# Altium PCB 红外发射（整套）.PcbDoc
Units mil, origin at the board's own origin, x right, y up, seen from the top; angles counter-clockwise.
Board outline 6000 x 4000 mil, 2 copper layers (Top Layer, Bottom Layer); 38 components, 23 nets, 118 pads, 0 vias.
Unrouted connection lines stored in the file: 1.
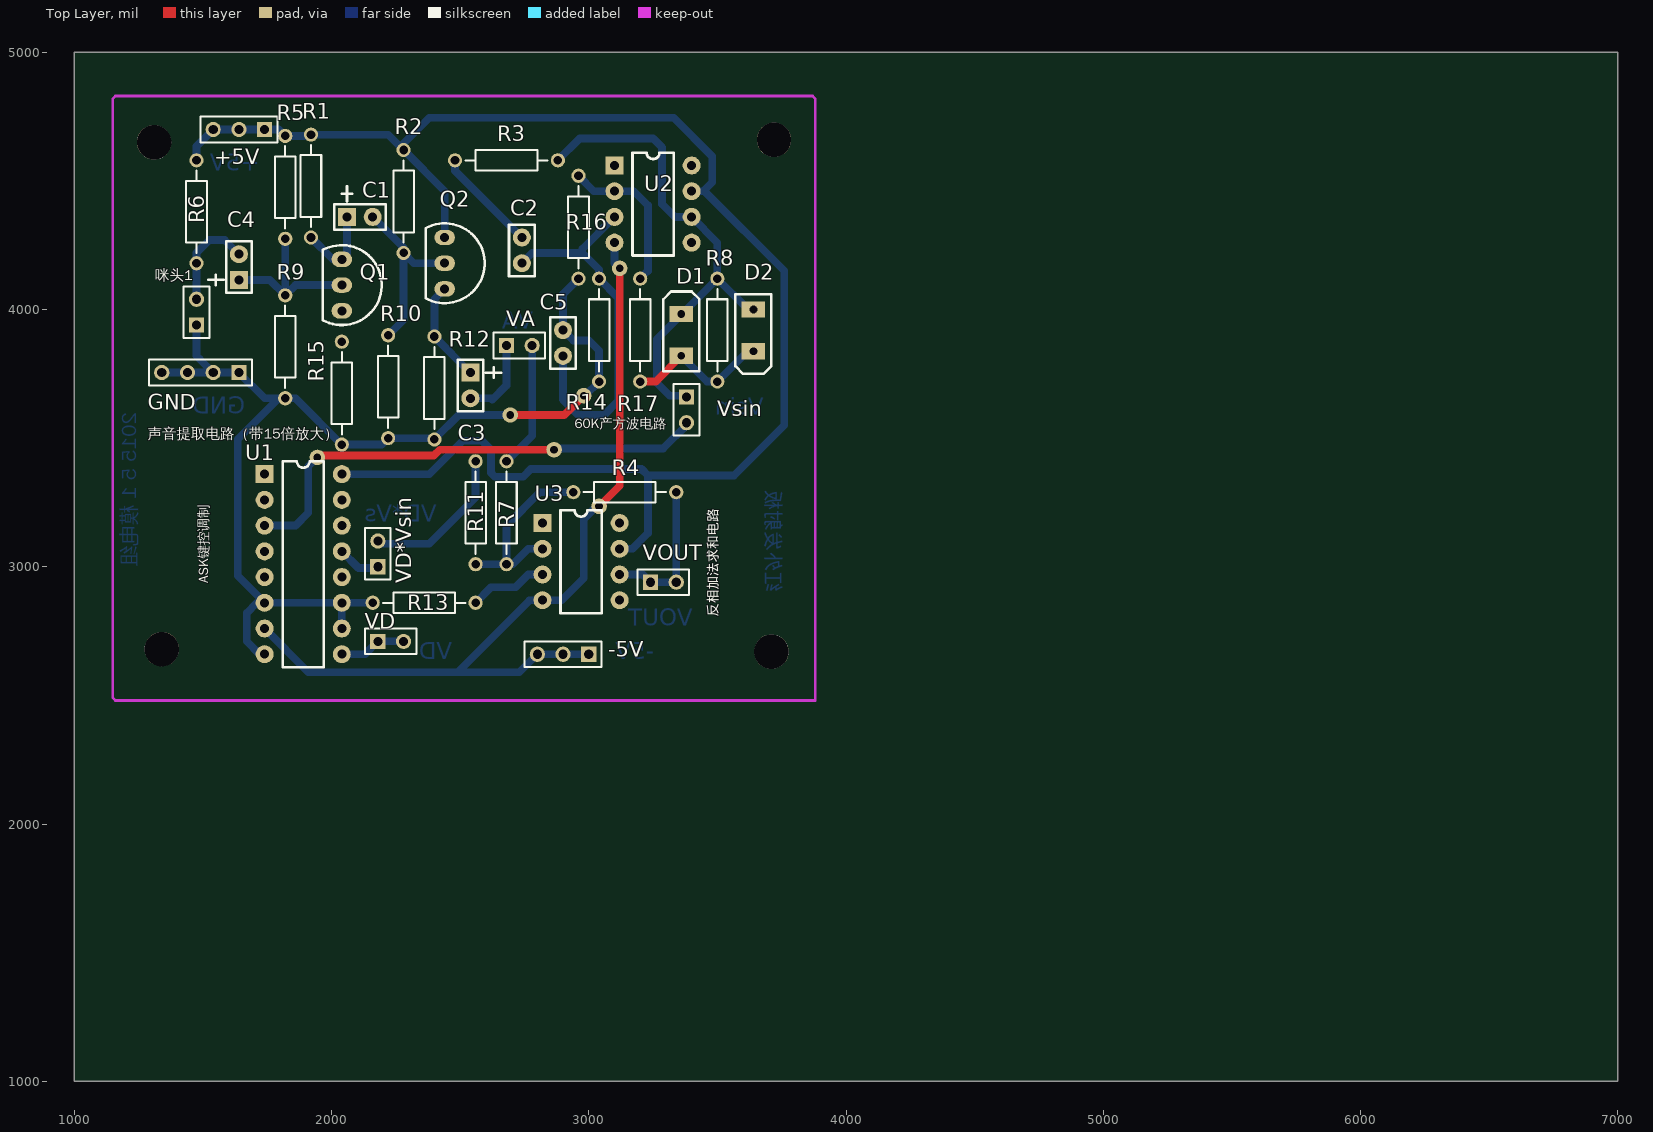
[diagram p0: Top Layer view]
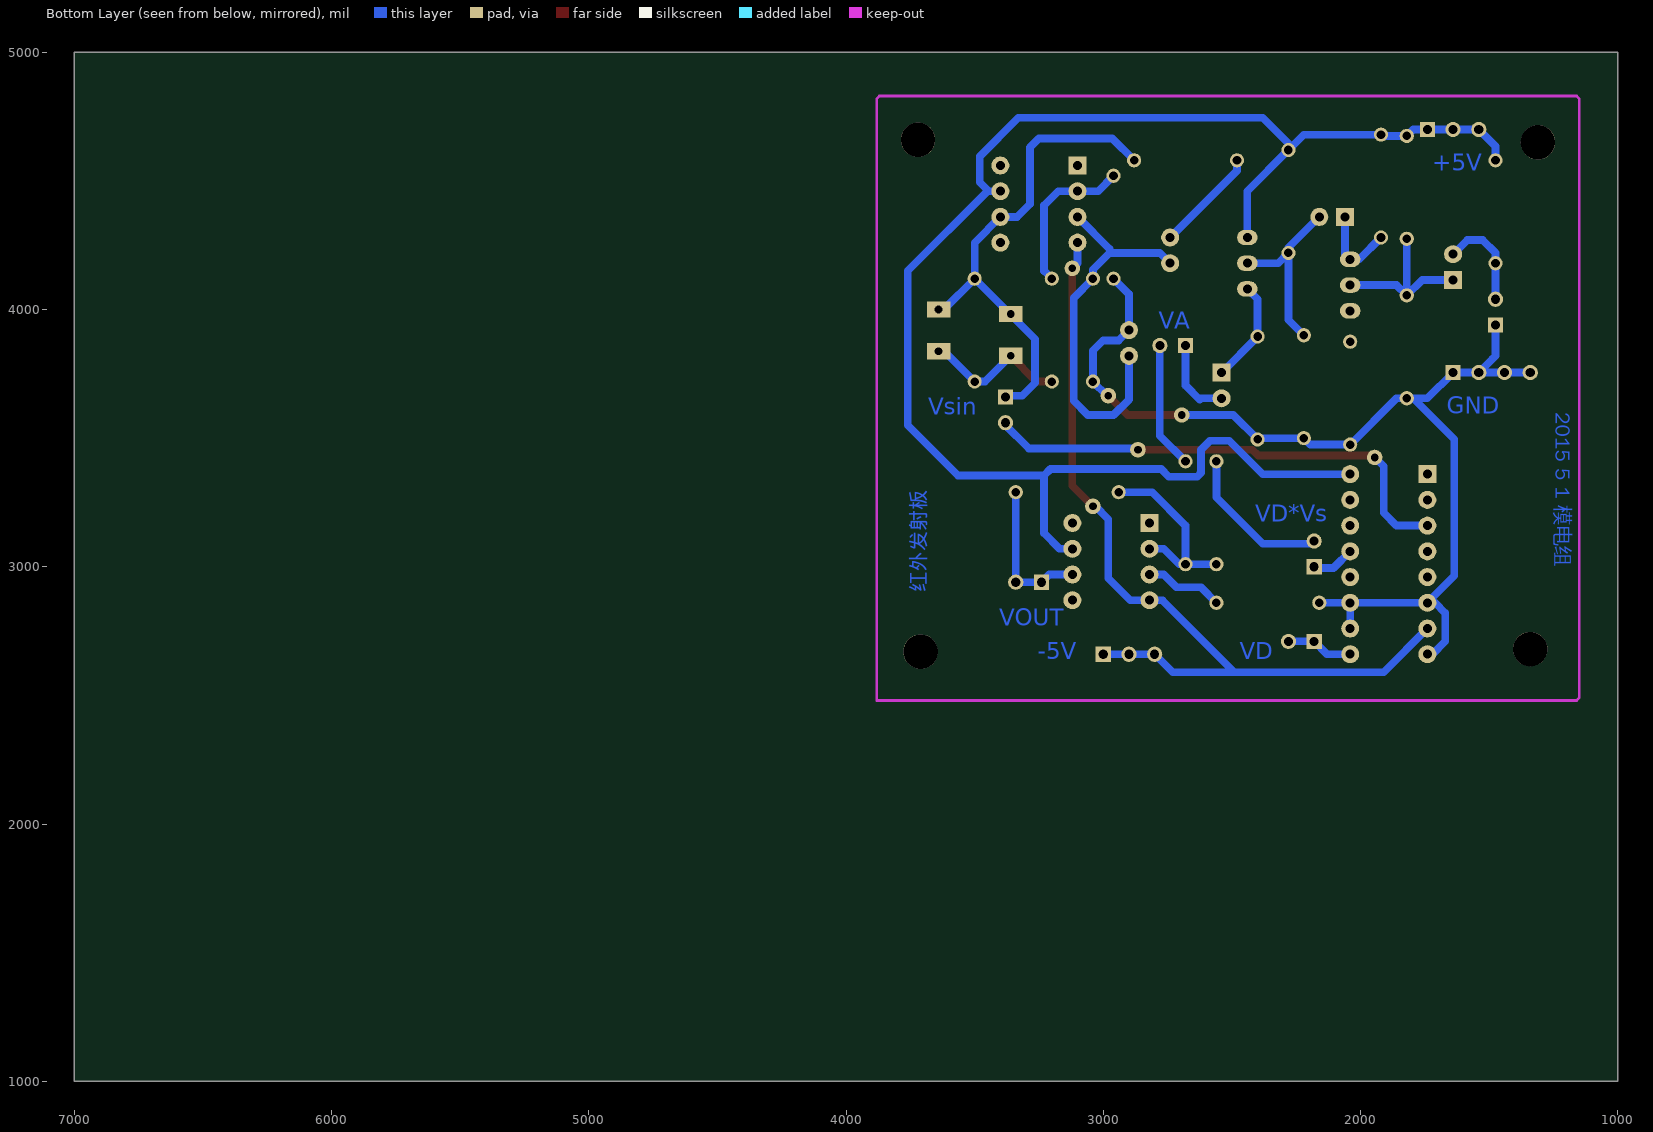
[diagram p1: Bottom Layer view, seen from below]

## Layer stack, top to bottom
Top Layer: signal copper 1.4
Dielectric: dielectric 12.6, FR-4, Dk 4.8
Bottom Layer: signal copper 1.4

## Board outline
1000,1000 7000,1000 7000,5000 1000,5000

## Design rules (kind name [scope] priority, off if disabled: settings)
Clearance [All] p1: gap=0
HoleToHoleClearance [All] p1: gap=0 allowstackedmicrovias=TRUE
MinimumSolderMaskSliver [All] p1: minsoldermaskwidth=0
PolygonConnect [All] p1: connectstyle=Relief reliefconductorwidth=10 reliefentries=4 polygonreliefangle="90 Angle"
RoutingVias [All] p1: holewidth=28 width=50 viastyle="Through Hole" minholewidth=28 minwidth=50 maxholewidth=28 maxwidth=50
ShortCircuit [All] p1: allowed=TRUE
SilkToSilkClearance [All] p1: silktosilkclearance=0
SilkscreenOverComponentPads [All] p1: minsilkscreentomaskgap=0
SolderMaskExpansion [All] p1: expansion=4
TestPointUsage [All] p1: valid=0 allowmultiple=FALSE
Testpoint [All] p1: side=15 testpointundercomponent=TRUE minsize=40 maxsize=100 preferedsize=60 minholesize=0 maxholesize=40 preferedholesize=32 testpointgrid=1 style=1023 order=0-112345678
Width [All] p1: maxlimit=100 minlimit=10 preferedwidth=25
19 further rules are at their usual default settings.

## Components (designator, comment, footprint, x,y, rotation, side; value= is the part's Value field where it differs from the comment)
+5V "Header 3" HDR1X3 1740,4700 r180 top
-5V "Header 3" HDR1X3 3000,2660 r180 top
C1 "电解电容" 电解电容 2060,4360 r0 top
C2 "瓷片电容" 瓷片电容 2740,4180 r90 top
C3 "电解电容" 电解电容 2540,3755 r270 top
C4 "电解电容" 电解电容 1640,4115 r90 top
C5 "瓷片电容" 瓷片电容 2900,3920 r270 top
D1 "Comment" DO-214AA 3360,3820 r90 top
D2 "Comment" DO-214AA 3640,4000 r270 top
GND "Header 4" HDR1X4 1640,3755 r180 top
Q1 "Comment" TO-92A 2040,3995 r90 top
Q2 "Comment" TO-92A 2440,4080 r90 top
R1 "Res2" AXIAL-0.4 1920,4480 r90 top
R2 "Res2" AXIAL-0.4 2280,4420 r90 top
R3 "Res2" AXIAL-0.4 2680,4580 r0 top
R4 "Res2" AXIAL-0.4 3140,3290 r0 top
R5 "Res2" AXIAL-0.4 1820,4475 r90 top
R6 "Res2" AXIAL-0.4 1475,4380 r90 top
R7 "Res2" AXIAL-0.4 2680,3210 r270 top
R8 "Res2" AXIAL-0.4 3500,3920 r90 top
R9 "Res2" AXIAL-0.4 1820,3855 r90 top
R10 "Res2" AXIAL-0.4 2220,3700 r90 top
R11 "Res2" AXIAL-0.4 2560,3210 r270 top
R12 "Res2" AXIAL-0.4 2400,3695 r90 top
R13 "Res2" AXIAL-0.4 2360,2860 r0 top
R14 "Res2" AXIAL-0.4 3040,3920 r90 top
R15 "Res2" AXIAL-0.4 2040,3675 r90 top
R16 "Res2" AXIAL-0.4 2960,4320 r90 top
R17 "Res2" AXIAL-0.4 3200,3920 r270 top
U1 "CD4051BCN" DIP16 1740,3360 r0 top
U2 "OP27AZ" DIP8 3100,4560 r0 top
U3 "OP27AZ" DIP8 2820,3170 r0 top
VA "Header 2" HDR1X2 2680,3860 r0 top
VD "Header 2" HDR1X2 2180,2710 r0 top
VD*Vsin "Header 2" HDR1X2 2180,3000 r90 top
VOUT "Header 2" HDR1X2 3240,2940 r0 top
Vsin "Header 2" HDR1X2 3380,3660 r270 top
咪头1 "Header 2" HDR1X2 1475,3940 r90 top

## Footprints (in the part's own frame and the unit in brackets; to place one, negate y for a bottom-side part, rotate by r counter-clockwise, add the part's x,y. Pads: shape width x height; smd on the part's side, far side on the other; paste and mask are expansions set on the pad)
AXIAL-0.4 [mm] "Resistor; 2 Leads"
  round 1.4 hole 0.85: 1(-5.08,0) 2(5.08,0)
  silkscreen extent -4.06,-1.02 4.06,1.02
DIP8 [mil]
  rect 70x70 hole 35: 1(0,0)
  round 70 hole 35: 2(0,-100) 3(0,-200) 4(0,-300) 5(300,-300) 6(300,-200) 7(300,-100) 8(300,0)
  silkscreen extent 70,-350 230,50
DIP16 [mil]
  rect 70x70 hole 35: 1(0,0)
  round 70 hole 35: 2(0,-100) 3(0,-200) 4(0,-300) 5(0,-400) 6(0,-500) 7(0,-600) 8(0,-700) 9(300,-700) 10(300,-600) 11(300,-500) 12(300,-400) 13(300,-300) 14(300,-200) 15(300,-100) 16(300,0)
  silkscreen extent 70,-750 230,50
DO-214AA [mm]
  rect 1.6x2.3 hole 0.762: 1(0,0) 2(4.12,0)
  silkscreen extent -1.52,-1.78 6.35,1.78
HDR1X2 [mm] "Connector; Header; 2 Position"
  rect 1.5x1.5 hole 0.9: 1(0,0)
  round 1.5 hole 0.9: 2(2.54,0)
  silkscreen extent -1.27,-1.27 3.81,1.27
HDR1X3 [mm] "Connector; Header; 3 Position"
  rect 1.5x1.5 hole 0.9: 1(0,0)
  round 1.5 hole 0.9: 2(2.54,0) 3(5.08,0)
  silkscreen extent -1.27,-1.27 6.35,1.27
HDR1X4 [mm] "Connector; Header; 4 Position"
  rect 1.5x1.5 hole 0.9: 1(0,0)
  round 1.5 hole 0.9: 2(2.54,0) 3(5.08,0) 4(7.62,0)
  silkscreen extent -1.27,-1.27 8.89,1.27
TO-92A [mil]
  oval 60x80 hole 35: 1(200,0) 2(100,0) 3(0,0)
  silkscreen extent -55,-155 255,74
瓷片电容 [mil]
  round 70 hole 35: 1(0,0) 2(100,0)
  silkscreen extent -50,-50 150,50
电解电容 [mil]
  rect 70.99x70 hole 35: 1(0,0)
  round 70 hole 35: 2(100,0)
  silkscreen extent -50,-50 150,120

## Part data
+5V -5V: "Header, 3-Pin"
GND: "Header, 4-Pin"
R1 R2 R3 R4 R5 R6 R7 R8 R9 R10 R11 R12 R13 R14 R15 R16 R17: "Resistor"
U1: "8-Channel Analog Multiplexer/Demultiplexer"
U2 U3: "Low-Noise, Precision Operational Amplifier"
VA VD VD*Vsin VOUT Vsin 咪头1: "Header, 2-Pin"

## Free pads (board coordinates)
  round 133.86 hole 133.86: 0(1310,4650) 1(1340,2680) 2(3710,2670) 3(3720,4660)
  oval 60.99x60 hole 30: 3(2980,3665) 4(2695,3590) 5(1945,3425) 6(2865,3455) 7(3040,3235) 8(3120,4160)

## Nets (pads, with @x,y where several pads share a name; then routed paths per layer and width w, separated by ;. In a path a pad name is that pad's centre, name@x,y a point inside that pad or via, vN(x,y) a via of type N, cw(c..) or ccw(c..) an arc to the next point about the centre after c; other vN are vias at no path point)
+5V: +5V.1 +5V.2 +5V.3 Q2.1 R1.2 R2.2 R5.2 R6.2 U1.16 U2.7 U3.7 | length 6237.6
  Bottom Layer w30: R6.2 1475,4635 +5V.3 +5V.2 1795,4700 R5.2 1915,4675 R1.2 2220,4680 R2.2@2267.5,4632.5 ; U1.16 2380,3360 2510,3490 2585,3490 2620,3455 2620,3365 2635,3350 2745,3350 2775,3380 3205,3380 3230,3355 ; Q2.1 2440,4460 R2.2 R2.2@2267.5,4632.5 ; U3.7 3170,3070 3230,3130 3230,3355 ; U2.7 3445,4460 ; R2.2@2267.5,4632.5 2380,4745 3330,4745 3480,4595 3480,4495 3445,4460 ; 3230,3355 3565,3355 3760,3550 3760,4150 3450,4460 3445,4460
-5V: -5V.1 -5V.2 -5V.3 pad.7 pad.8 U1.7 U2.4 U3.4 | length 3377.7
  Top Layer w30: pad.7 3120,3315 pad.8
  Bottom Layer w30: U1.7 1910,2590 2490,2590 ; -5V.1 -5V.2 -5V.3 2730,2590 2490,2590 ; pad.7 3030,3235 2980,3185 2980,2955 2895,2870 U3.4 2770,2870 2490,2590 ; U2.4 3100,4180 pad.8
GND: C5.1 GND.1 GND.2 GND.3 GND.4 pad.3@2980,3665 pad.4 R9.1 R10.1 R12.1 R13.1 R14.1 R15.1 R16.1 U1.6 U1.8 U1.10 U1.11 咪头1.1 | length 4390.8
  Top Layer w30: pad.4 2905,3590 pad.3@2980,3665
  Bottom Layer w30: GND.4 GND.3 ; GND.3@1440,3762.28 GND.3 ; 1475,3890 1475,3910 ; 咪头1.1 1475,3910 ; U1.8 1720,2660 1670,2710 1670,2820 1710,2860 U1.6 ; U1.10 U1.11 ; R13.1 U1.11 ; pad.4 2495,3590 R12.1 2395,3500 R10.1 2195,3475 R15.1 1860,3655 R9.1 R9.1@1795,3655 ; R16.1 2900,4060 C5.1 2940,3880 3000,3880 3040,3840 R14.1 2985,3665 pad.3@2980,3665 ; GND.3 GND.2 ; 1475,3910 1475,3820 1486.36,3808.64 GND.2 ; GND.2 GND.1 1740,3655 R9.1@1795,3655 ; U1.6 1635,2965 1635,3495 R9.1@1795,3655 ; U1.6 U1.11
NetC1_1: C1.1 Q1.1 R1.1 | length 328.5
  Bottom Layer w30: R1.1 2005,4195 Q1.1 2060,4215 C1.1
NetC1_2: C1.2 Q2.2 R2.1 R10.2 | length 711.1
  Bottom Layer w30: C1.2 2280,4240 R2.1 ; R10.2 2280,3960 R2.1 ; Q2.2 2320,4180 R2.1
NetC2_1: C2.1 C5.2 R14.2 U2.3 | length 1509
  Bottom Layer w30: C2.1 2780,4220 2975,4220 ; C5.2 2900,3650 2960,3590 3060,3590 3115,3645 3115,4045 R14.2 3040,4155 2975,4220 ; U2.3 2975,4235 2975,4220
NetC2_2: C2.2 R3.1 | length 407.7
  Bottom Layer w30: R3.1 2480,4540 C2.2
NetC3_1: C3.1 Q2.3 R12.2 | length 399.6
  Bottom Layer w30: Q2.3 2400,4040 R12.2 C3.1
NetC4_1: C4.1 Q1.2 R5.1 R9.2 | length 661.4
  Bottom Layer w30: C4.1 1760,4115 R9.2 ; R5.1 R9.2 ; Q1.2 1860,4095 R9.2
NetC4_2: C4.2 R6.1 咪头1.2 | length 388.5
  Bottom Layer w30: 咪头1.2 R6.1 1475,4220 1525,4270 1585,4270 C4.2
NetD1_1: D1.1 D2.2 R8.1 R17.2 | length 571.6
  Top Layer w30: R17.2 3260,3720 D1.1
  Bottom Layer w30: D1.1 3460,3720 R8.1 3617.8,3837.8 D2.2
NetQ1_3: Q1.3 R15.2
NetR4_1: R4.1 R7.2 R11.2 U3.2 | length 748.7
  Bottom Layer w30: R11.2 R7.2 ; U3.2 2765,3070 2705,3010 R7.2 ; R4.1 2810,3290 2680,3160 R7.2
NetR13_2: R13.2 U3.3 | length 305.6
  Bottom Layer w30: R13.2 2620,2920 2715,2920 2765,2970 U3.3
NetR16_2: R16.2 R17.1 U2.2 | length 615.1
  Bottom Layer w30: R16.2 3020,4460 U2.2 3175,4460 3230,4405 3230,4150 R17.1
VA1: C3.2 VA.1 | length 319.9
  Bottom Layer w30: C3.2 2620,3655 2625,3650 2680,3705 VA.1
VA2: R7.1 VA.2 | length 491.4
  Bottom Layer w30: R7.1 2780,3510 VA.2
VD: U1.9 VD.1 VD.2 | length 260.7
  Bottom Layer w30: U1.9 2130,2660 VD.1 VD.2
VD*VSIN1: U1.13 VD*Vsin.1 | length 176.9
  Bottom Layer w30: U1.13 2105,2995 VD*Vsin.1@2190,2995
VD*VSIN2: R11.1 VD*Vsin.2 | length 598.7
  Bottom Layer w30: VD*Vsin.2 2190,3090 2380,3090 2560,3270 R11.1
VOUT: R4.2 U3.6 VOUT.1 VOUT.2 | length 582.4
  Bottom Layer w30: U3.6 3210,2970 VOUT.1 VOUT.2 R4.2
VSIN1: D1.2 D2.1 R3.2 R8.2 U2.6 Vsin.1 | length 1921.7
  Bottom Layer w30: R3.2 2965,4665 3250,4665 3285,4630 3285,4410 3335,4360 U2.6 3500,4260 R8.2 ; Vsin.1 3375,3665 3315,3665 3265,3715 3265,3885 R8.2 ; D2.1 3620,4000 R8.2
VSIN2: pad.5 pad.6 U1.3 Vsin.2 | length 1917
  Top Layer w30: pad.5 1952.44,3432.44 2397.63,3432.44 2420.19,3455 pad.6
  Bottom Layer w30: U1.3 1860,3160 1910,3210 1910,3390 pad.5 ; pad.6 2870,3460 3290,3460 3380,3550 Vsin.2
pads on no net: U1.1 U1.2 U1.4 U1.5 U1.12 U1.14 U1.15 U2.1 U2.5 U2.8 U3.1 U3.5 U3.8

## Keep-outs
Keep-Out Layer:
  lines w10: 1150,2490 1160,2480 3880,2480 3880,4820 3870,4830 1160,4830 1150,4820 1150,2490

## Other copper
Bottom Layer:
  text "+5V" at 1720,4540 h65
  text "VA" at 2785,3925 h65
  text "2015 5 1 模电组" at 1260,3600 h100 r90
  text "GND" at 1665,3595 h65
  text "Vsin" at 3680,3590 h65
  text "VD*Vs" at 2410,3175 h65
  text "红外发射板" at 3670,2900 h100 r270
  text "VOUT" at 3405,2770 h65
  text "VD" at 2470,2640 h65
  text "-5V" at 3255,2640 h65

## Silkscreen, mask and mechanical layers (free items; w line width, h text height)
Top Overlay:
  text "60K产方波电路" at 2945,3525 h65
  text "声音提取电路（带15倍放大）" at 1285,3485 h70
  text "ASK键控调制" at 1535,2935 h65 r90
  text "反相加法求和电路" at 3515,2805 h65 r90
Mechanical 4:
  circle w5: c3719.21,4657.17 r129.92
  circle w5: c1339.21,2677.17 r129.92
  circle w5: c3709.21,2667.17 r129.92
  circle w5: c1310.08,4650 r129.92
  lines w10: 1155,2490 1155,3141.25 1155,4163.75 1155,4815 1165,4825 1225,4825 3885,4825 3885,2485 1160,2485 1155,2490

## Dimensions
1150,2400 to 3890,2410 on Mechanical 4
4030,4830 to 3990,2480 on Mechanical 4